# Allegro board Chronos.brd (continued)
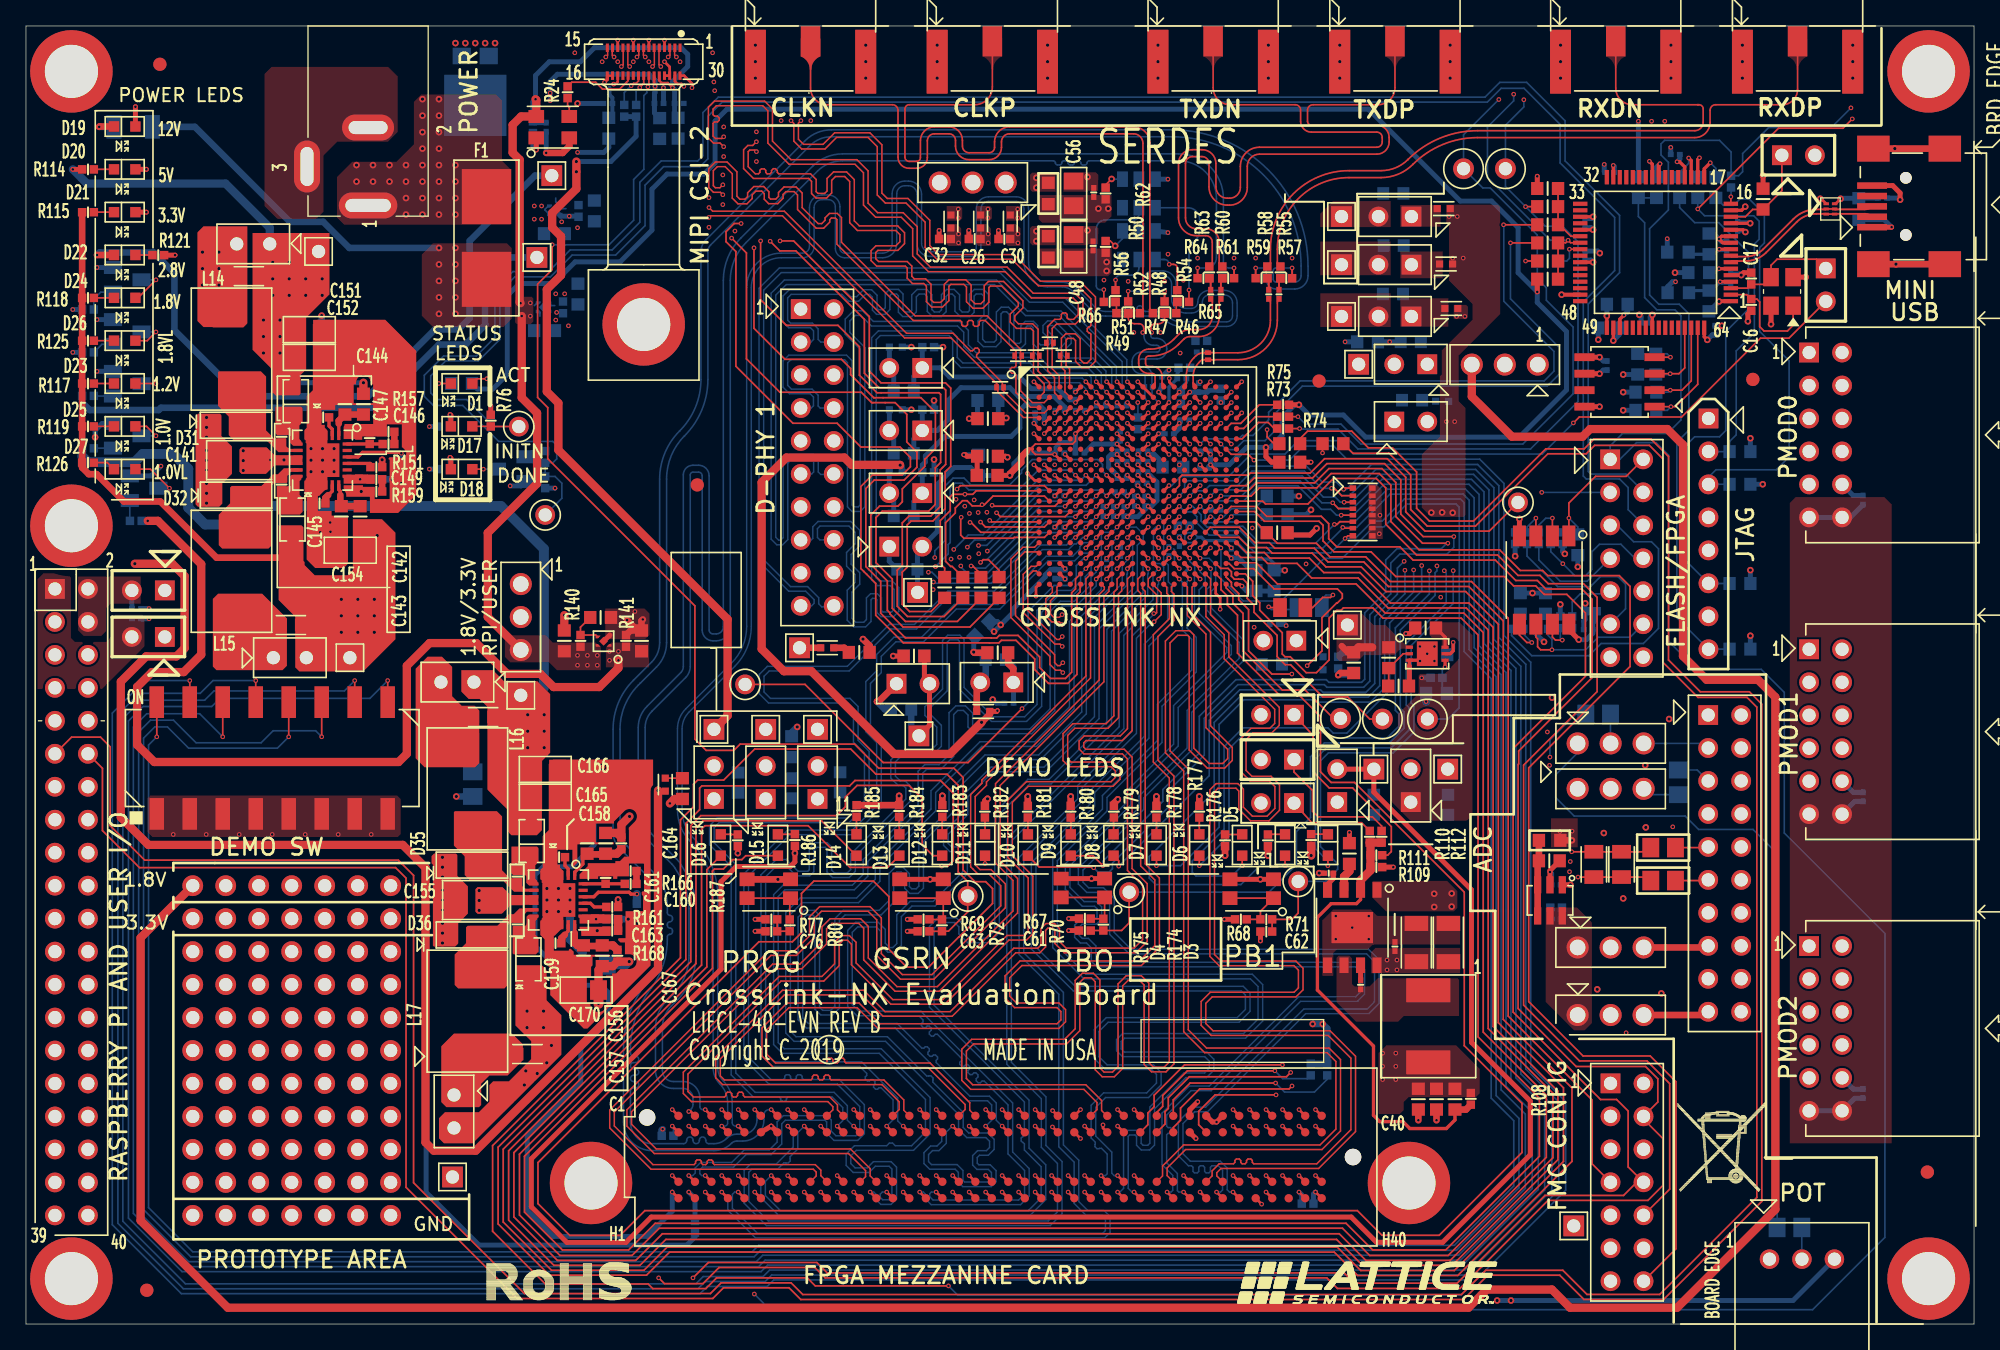
[diagram p0: board, top side]
## Routing (per net, layer and track width the routed paths; a pad name or vN(x,y) marks a point on that pad's centre or on a via; arc(x,y) is an arc through that point) (continued)
PUSHBUTTON1: length 66.9
  TOP w0.127: C62.1 R71.1 97.48,31.18 97.96,31.66 TP8.1
  TOP w0.203: U3.G15 v1(89.61,66.99)
  L04_SIG w0.127: v1(109.9,58.04) 109.9,58.68 107.18,61.4 107.18,63.26 104.86,65.58 98.52,65.58 98.02,66.09 96.62,66.09 96.05,66.66 95.12,66.66 94.69,67.08 93.68,67.08 93.07,66.47 91.97,66.47 91.62,66.83 91.62,67.14 91.37,67.39 91.34,67.39 91.33,67.4 90.02,67.4 v1(89.61,66.99)
  BOTTOM w0.127: v1(109.9,58.04) 109.9,55.51 106.66,52.27 106.66,47.84 106.87,47.64 106.87,45.6 105.28,44.01 100.29,44.01 99.67,43.39 99.67,36.77 101,35.45 101,35.04 100.06,34.1 TP8.1
R_EXT: length 0.6
  TOP w0.203: U3.C14 v1(88.81,70.99)
RASP_5V: length 1.4
  BOTTOM w0.381: C37.1 8.16,56.51 JP4.2
RASP_ID_SC: length 123.2
  TOP w0.127: v1(73.5,58.68) 73.71,58.88 74.11,58.88 74.93,58.06 R39.1
  TOP w0.203: U3.M4 v1(80.01,62.99)
  L04_SIG w0.127: v1(73.5,58.68) 73.5,57.5 70.17,54.17 66.71,54.17 64.54,56.34 59.05,56.34 57.49,54.78 50.25,54.78 45.37,59.66 35.84,59.66 31.72,55.55 31.72,51.95 30.13,50.36 30.13,47.57 25.47,42.9 14.36,42.9 9.61,38.14 9.61,37.06 8.71,36.17 8.71,20.12 8.11,19.52 6.73,19.52 5.93,20.33 5.93,21.82 5.41,22.34 4.27,22.34 3.82,21.89 3.4,21.89 3.09,22.2 3.09,22.87 3.48,23.26 4.42,23.26 JP5.28
  BOTTOM w0.127: v1(80.01,62.99) 78.1,62.99 73.99,58.88 73.71,58.88 v1(73.5,58.68)
RASP_ID_SD: length 122.1
  TOP w0.127: v1(72.77,58.4) 72.9,58.4 73.53,57.77 R40.1
  TOP w0.203: U3.M7 v1(82.41,62.99)
  L04_SIG w0.127: JP5.27 2.23,24.13 3,24.9 5.81,24.9 6.4,24.31 6.4,22.2 7.19,21.41 7.92,21.41 8.3,21.78 8.3,36.33 9.22,37.25 9.22,38.3 14.2,43.28 25.08,43.28 29.75,47.95 29.75,50.52 31.24,52 31.24,55.61 35.68,60.05 45.72,60.05 50.58,55.19 57.27,55.19 58.8,56.72 64.83,56.72 66.96,54.59 70.02,54.59 72.57,57.14 72.57,58.27 72.7,58.4 v1(72.77,58.4)
  BOTTOM w0.127: v1(82.41,62.99) 82.02,62.6 78.25,62.6 73.88,58.23 73.06,58.23 72.9,58.4 v1(72.77,58.4)
RASP_IO02: length 121.3
  TOP w0.203: U3.L6 v1(81.61,63.79)
  L04_SIG w0.127: JP5.3 2.23,54.69 3.27,55.74 3.27,56.65 4.28,57.65 5.61,57.65 7.44,59.49 7.44,68.85 8.19,69.6 11.05,69.6 12.83,67.81 15.44,67.81 17.22,69.6 18.55,69.6 20.26,71.31 20.26,75.14 20.94,75.82 33.77,75.82 34.35,75.24 34.35,72.18 34.94,71.58 35.66,71.58 36.29,72.21 39.06,72.21 41.3,74.45 41.3,77.19 42.97,78.86 42.97,79.78 45.61,82.42 59.33,82.42 62.02,79.72 64.6,79.72 70.92,73.41 70.92,69.1 72.51,67.51 72.51,67.35 72.99,66.88 72.99,65.91 74,64.9 74,64.77 75.06,63.7 78.55,63.7 79.84,64.99 80.41,64.99 v1(81.61,63.79)
RASP_IO03: length 121.3
  TOP w0.203: U3.L5 v1(80.81,63.79)
  L04_SIG w0.127: v1(80.81,63.79) 80.57,63.79 80.16,64.2 79.77,64.2 79.6,64.03 79.6,63.63 79.29,63.32 74.9,63.32 73.62,64.61 73.62,64.74 72.61,65.75 72.61,65.98 71.8,66.79 71.8,67.69 70.54,68.94 70.54,69.48 67.99,72.03 67.99,74.31 63.02,79.29 61.48,79.29 58.8,81.96 45.8,81.96 43.38,79.53 43.38,78.72 42.57,77.91 42.57,75.14 39.26,71.83 36.55,71.83 35.92,71.2 34.56,71.2 33.88,71.87 33.88,74.91 33.42,75.37 21.58,75.37 20.74,74.53 20.74,71.1 18.59,68.96 17.39,68.96 14.75,66.31 14.75,65.66 14.37,65.28 13.06,65.28 11.81,66.53 11.81,67.18 11.37,67.62 8.19,67.62 7.86,67.28 7.86,57.91 5.36,55.42 4.21,55.42 3.52,54.73 3.52,52.84 JP5.5
RASP_IO04: length 121.2
  TOP w0.127: v1(74.39,63.07) 74.46,63 79.22,63 U3.M3
  L04_SIG w0.127: JP5.7 3.56,50.34 5.12,50.34 6.62,51.85 11.21,51.85 14.47,55.11 18.93,55.11 19.4,55.57 19.4,62.8 18.99,63.21 18.17,63.21 17.68,63.69 17.68,64.6 18.11,65.03 19.03,65.03 19.4,65.4 19.4,69.01 21.22,70.83 21.22,74.27 21.84,74.9 32.84,74.9 33.41,74.32 33.41,71.05 34.17,70.29 36,70.29 36.97,71.26 39.29,71.26 42.95,74.93 42.95,77.75 43.79,78.59 43.79,79.29 46.07,81.58 54.03,81.58 58.47,77.14 64.42,77.14 67.48,74.08 67.48,71.9 70.16,69.22 70.16,68.79 70.46,68.48 71.41,67.53 71.41,66.64 72.23,65.82 72.23,65.59 73.23,64.58 73.23,64.45 74.39,63.29 v1(74.39,63.07)
RASP_IO05: length 120.8
  TOP w0.203: U3.K8 v1(83.21,65.39)
  L04_SIG w0.127: v1(69.98,59.05) 69.82,58.89 66.05,58.89 65.37,59.57 65.37,61.22 62.63,63.95 38.89,63.95 36.95,62.01 34.95,62.01 29.1,56.16 29.1,52.56 27.05,50.51 27.05,50.14 25.15,48.23 23.97,48.23 21.47,45.73 13.94,45.73 7.32,39.11 7.32,38.07 6.31,37.06 6.31,33.87 4.79,32.34 4.46,32.34 3.6,31.48 3.6,31.17 2.28,29.86 1.97,29.86 1.2,29.08 1.2,22.1 JP5.29
  BOTTOM w0.127: v1(83.21,65.39) 82.89,65.71 82.89,66.23 82.53,66.6 77.48,66.6 76.66,65.77 76.66,65.56 75.74,64.64 72.75,64.64 72.23,65.17 71.38,65.17 70.78,64.56 70.78,60.37 69.98,59.57 v1(69.98,59.05)
RASP_IO06: length 120.8
  TOP w0.203: U3.L7 v1(82.41,63.79)
  L04_SIG w0.127: v1(74.03,59.54) 74.03,59.14 74.26,58.91 74.26,57.68 70.31,53.73 66.61,53.73 65.33,55.01 63.61,55.01 62.91,54.31 50.09,54.31 45.11,59.28 36.39,59.28 32.18,55.07 32.18,51.86 30.52,50.2 30.52,47.13 25.9,42.52 14.52,42.52 10.51,38.51 10.51,37.4 9.11,36 9.11,19.26 8.74,18.88 6.19,18.88 5.48,19.6 3.3,19.6 JP5.31
  BOTTOM w0.127: v1(82.41,63.79) 82.01,63.39 77.94,63.39 74.09,59.54 v1(74.03,59.54)
RASP_IO07: length 120.8
  TOP w0.203: U3.N5 v1(80.81,62.19)
  L04_SIG w0.127: JP5.26 5.64,26.15 6.85,24.94 6.85,22.91 7.11,22.66 7.65,22.66 7.89,22.9 7.89,36.47 8.84,37.42 8.84,38.48 14.03,43.66 24.7,43.66 29.37,48.34 29.37,50.68 30.78,52.08 30.78,55.69 35.52,60.43 46,60.43 50.84,55.59 56.96,55.59 57.89,56.52 57.89,57.46 57.43,57.92 56.32,57.92 56.02,58.22 56.02,58.71 56.32,59.01 63.08,59.01 67.12,54.97 69.76,54.97 71.81,57.03 71.81,58.27 71.94,58.4 v1(71.98,58.4)
  BOTTOM w0.127: v1(80.81,62.19) 78.38,62.19 74.03,57.84 72.47,57.84 71.98,58.33 v1(71.98,58.4)
RASP_IO08: length 120.8
  TOP w0.203: U3.P6 v1(81.61,61.39)
  L04_SIG w0.127: v1(69.87,57.16) 69.83,57.16 69.51,57.49 65.5,57.49 63.59,59.39 52.58,59.39 52.22,59.03 52.22,57.9 52.59,57.53 56.79,57.53 57.2,57.12 57.2,56.54 56.76,56.1 51.01,56.1 46.29,60.82 35.37,60.82 30.35,55.79 30.35,52.19 28.99,50.83 28.99,48.74 24.3,44.04 13.87,44.04 8.46,38.64 8.46,37.58 7.5,36.62 7.5,26.42 7.16,26.08 6.55,26.08 5.94,26.69 5.94,28.36 5.61,28.69 JP5.24
  BOTTOM w0.127: v1(69.87,57.16) 69.97,57.07 74.33,57.07 78.23,60.97 81.19,60.97 v1(81.61,61.39)
RASP_IO09: length 120.8
  TOP w0.203: U3.K6 v1(81.61,65.39)
  L04_SIG w0.127: JP5.21 3.35,32.35 3.35,33.97 4.41,35.03 5.41,35.03 5.89,35.51 5.89,37.18 6.94,38.23 6.94,39.27 13.79,46.12 21.31,46.12 23.8,48.61 24.98,48.61 26.67,50.31 26.67,50.67 28.69,52.69 28.69,56.94 31.84,60.08 31.84,63.29 32.28,63.74 36.13,63.74 36.51,64.11 37.6,64.11 38.74,65.25 41.1,65.25 42,64.35 54.08,64.35 54.42,64.69 54.42,65.17 54.14,65.46 48.43,65.46 48.14,65.75 48.14,66.24 48.49,66.6 54.69,66.6 56.94,64.35 62.85,64.35 63.17,64.04 63.19,64.04 66.29,60.93 69.59,60.93 70.8,59.72 71.39,59.72 v1(71.44,59.67)
  BOTTOM w0.127: v1(81.61,65.39) 81.22,65 77.89,65 73.68,60.79 72.56,60.79 v1(71.44,59.67)
RASP_IO10: length 121.3
  TOP w0.127: v1(74.73,62.49) 75.02,62.2 80.02,62.2 U3.N4
  L04_SIG w0.127: v1(74.73,62.49) 74.67,62.43 74.67,61.4 73.81,60.54 71.3,60.54 70.88,60.97 70.86,60.97 70,61.83 66.63,61.83 64.83,63.63 64.83,65.79 63.64,66.98 55.81,66.98 55.06,67.73 55.06,71.97 54.88,72.16 54.49,72.16 54.31,71.98 54.31,68.77 53.03,67.48 41.66,67.48 40.25,66.08 37.19,66.08 36.04,64.93 31.21,64.93 29.82,66.32 28.93,66.32 28.23,67.01 28.23,68.02 27.86,68.39 26.52,68.39 26.11,67.98 26.11,66.19 26.77,65.54 26.77,62.17 23.77,59.18 23.77,49.71 20.94,46.88 13.48,46.88 5.92,39.32 5.92,38.42 5.19,37.69 4.15,37.69 3.43,36.96 3.43,34.97 JP5.19
RASP_IO11: length 120.8
  TOP w0.203: U3.N7 v1(82.41,62.19)
  L04_SIG w0.127: v1(69.49,57.92) 65.77,57.92 64.29,59.4 64.29,61.11 63.86,61.54 58.66,61.54 58.32,61.2 58.32,60.39 57.77,59.84 48.06,59.84 47.53,60.37 47.53,61.03 48.03,61.53 52.8,61.53 53.04,61.77 53.04,62.15 52.83,62.37 43.87,62.37 42.72,61.22 35.23,61.22 29.96,55.94 29.96,52.34 28.61,50.99 28.61,48.89 24.14,44.42 13.71,44.42 8.08,38.79 8.08,37.74 7.1,36.76 7.1,30.52 6.29,29.71 3.25,29.71 JP5.23
  BOTTOM w0.127: v1(69.49,57.92) 69.76,57.92 70.23,57.45 74.17,57.45 78.53,61.8 82.02,61.8 v1(82.41,62.19)
RASP_IO12: length 120.8
  TOP w0.203: U3.L8 v1(83.21,63.79)
  L04_SIG w0.127: JP5.32 4.82,18.48 9.02,18.48 9.52,18.98 9.52,35.85 10.89,37.23 10.89,38.35 14.68,42.14 26.11,42.14 30.9,46.92 30.9,50.04 32.66,51.81 32.66,55.01 36.56,58.9 44.7,58.9 49.68,53.93 65.78,53.93 66.43,53.28 70.41,53.28 74.64,57.52 74.64,59.53 74.19,59.98 v1(73.35,59.98)
  BOTTOM w0.127: v1(83.21,63.79) 82.77,64.24 78.23,64.24 73.98,59.99 73.35,59.99 v1(73.35,59.98)
RASP_IO13: length 121.3
  TOP w0.203: U3.M5 v1(80.81,62.99)
  L04_SIG w0.127: JP5.33 3.3,14.92 6.44,14.92 9.91,18.38 9.91,35.69 11.76,37.55 11.76,38.68 14.83,41.75 26.33,41.75 33.04,48.46 33.04,54.8 36.77,58.52 44.33,58.52 49.3,53.55 65.62,53.55 66.3,52.87 70.57,52.87 75.06,57.36 75.06,61.18 76.79,62.91 79.35,62.91 79.51,63.07 79.51,63.07 79.83,63.39 80.41,63.39 v1(80.81,62.99)
RASP_IO14: length 130
  TOP w0.127: R35.2 71.32,58.36 71.2,58.36 70.81,58.75 70.81,61.73 71.56,62.48 71.56,62.87 72.12,63.43 72.46,63.43 72.86,63.03 73.53,63.03 v1(73.62,63.12) 73.8,63.12 74.47,63.78 78.42,63.78 U3.M2
  L04_SIG w0.127: v1(73.62,63.12) 73.62,63.52 72.85,64.28 72.85,64.42 71.84,65.43 71.84,65.67 71.03,66.48 71.03,67.37 70.57,67.83 68.6,67.83 67.97,68.46 67.97,69.34 66.87,70.44 66.87,71.37 65.35,72.89 65.35,75.65 64.24,76.76 63.99,76.76 63.86,76.63 63.86,74.99 63.73,74.86 63.48,74.86 63.35,74.99 63.35,76.63 63.23,76.76 58.28,76.76 54.86,80.17 53.3,80.17 51.56,78.44 51.56,71.57 50.72,70.73 37.03,70.73 36.2,69.9 33.58,69.9 32.93,70.55 32.93,74.01 32.48,74.46 22.2,74.46 21.69,73.95 21.69,70.57 20.38,69.26 20.38,66.17 19.94,65.74 19.94,55.4 17.93,53.39 14.21,53.39 12.18,51.36 7.12,51.36 JP5.8
RASP_IO15: length 129.1
  TOP w0.127: U3.L1 73.17,64.19 72.9,63.92 v1(72.3,63.92) 71.36,63.92 71.17,63.73 71.17,62.66 70.4,61.89 70.4,58.57 70.74,58.23 R36.2
  L04_SIG w0.127: JP5.10 5.57,46.47 6.4,47.31 6.4,49.87 7.31,50.78 13.77,50.78 14.06,51.08 14.06,52.64 14.3,52.88 14.92,52.88 15.13,52.67 15.13,51.38 15.47,51.04 16.41,51.04 16.77,51.41 16.77,52.26 17.16,52.64 19.1,52.64 20.41,53.96 20.41,65.58 20.84,66 20.84,68.14 21.21,68.51 22.61,68.51 22.97,68.86 22.97,69.95 22.13,70.79 22.13,73.6 22.53,74 32.02,74 32.49,73.53 32.49,71.74 32.12,71.38 32.12,69.94 33.4,68.66 35.57,68.66 37.23,70.31 38.45,70.31 38.71,70.05 50.93,70.05 51.95,71.08 51.95,76.25 52.58,76.88 57.22,76.88 58.47,75.64 58.47,75.03 58.9,74.6 62.95,74.6 66.49,71.06 66.49,70.28 67.35,69.42 67.59,69.18 67.59,68.3 67.95,67.94 68.44,67.45 70.42,67.45 70.65,67.21 70.65,66.32 71.46,65.51 71.46,65.28 72.46,64.28 72.46,64.08 v1(72.3,63.92)
RASP_IO16: length 121.3
  TOP w0.203: U3.N6 v1(81.61,62.19)
  L04_SIG w0.127: JP5.36 9.57,13.45 10.71,14.59 10.71,35.42 12.53,37.23 12.53,38.37 15.14,40.98 28.09,40.98 35.66,48.56 35.66,54.04 37.21,55.59 41.1,55.59 44.41,52.27 44.41,50.89 44.7,50.6 46.79,50.6 47.5,51.31 58.04,51.31 58.74,50.6 61.6,50.6 62.63,51.63 66.19,51.63 66.6,52.04 70.93,52.04 75.82,56.94 75.82,59.89 78.12,62.19 80.26,62.19 80.65,61.8 80.97,61.8 81.37,62.19 v1(81.61,62.19)
RASP_IO17: length 387.3
  TOP w0.127: v1(71.69,64.32) 71.69,64.33 71.94,64.58 78.42,64.58 U3.L2 ; R38.2 102.17,67.08 104.95,67.08 106.62,65.41 106.62,62.75 107.9,61.47 111.61,61.47 117.18,67.04 120.14,67.04 120.79,67.69 125,67.69 126.04,66.65 126.04,50.98 128.75,48.28 132.52,48.28 133.28,47.52 133.28,9.76 125.8,2.28 120.2,2.28 118.34,4.14 112.4,4.14 110.53,2.27 59.81,2.27 58.91,3.17 53.53,3.17 52.7,2.35 38.38,2.35 29.85,10.88 29.85,34.56 28.67,35.74 9.14,35.74 6.48,38.39 6.48,44.47 5.74,45.21 3.51,45.21 JP5.11
  L04_SIG w0.127: JP5.11 3.43,45.13 5.08,45.13 10.21,50.27 16.17,50.27 16.4,50.5 17.67,50.5 17.89,50.27 19.44,50.27 20.1,50.93 20.1,52.49 20.93,53.32 20.93,65.38 21.24,65.69 21.24,67.7 21.55,68 23.4,68 23.69,68.29 23.69,69.99 22.57,71.1 22.57,72.92 23.17,73.52 30.84,73.52 31.3,73.06 31.3,70.2 33.37,68.13 38.57,68.13 39.01,68.58 39.01,69.37 39.27,69.63 51.29,69.63 52.35,70.68 52.35,76 52.85,76.5 57.02,76.5 57.91,75.61 57.91,74.59 58.38,74.12 62.84,74.12 65.29,71.66 65.29,68.57 66.61,67.25 68.05,67.25 68.47,66.84 68.98,66.84 69.71,66.1 70.08,66.1 71.31,64.88 71.32,64.88 71.66,64.55 71.66,64.49 71.69,64.45 v1(71.69,64.32)
RASP_IO18: length 388.9
  TOP w0.127: R37.2 98.11,68.21 98.68,68.78 102.08,68.78 103.37,67.5 105.22,67.5 107.08,65.64 107.08,62.84 108.06,61.86 111.46,61.86 117.03,67.42 119.98,67.42 120.75,68.19 125.12,68.19 126.47,66.83 126.47,51.16 128.93,48.71 132.7,48.71 133.66,47.75 133.66,9.45 126.1,1.89 119.97,1.89 118.1,3.76 112.56,3.76 110.69,1.89 59.66,1.89 58.75,2.79 53.71,2.79 52.88,1.97 37.83,1.97 29.26,10.53 29.26,34.35 28.46,35.16 8.74,35.16 5.89,38.01 5.89,42.81 JP5.12 ; v1(72.01,62.15) 71.97,62.11 71.97,60.78 72.22,60.54 76.03,60.54 76.1,60.6 78.42,60.6 U3.R2
  L04_SIG w0.127: v1(72.01,62.15) 70.16,64 70.16,64.37 67.75,66.78 66.47,66.78 64.85,68.39 64.85,71.38 64.15,72.09 57.3,72.09 56.92,72.47 56.92,75.26 56.08,76.09 53.27,76.09 52.74,75.55 52.74,70.44 51.5,69.2 40.55,69.2 38.96,67.6 33.25,67.6 30.42,70.43 30.42,72.8 30.15,73.07 24.97,73.07 24.67,72.77 24.44,72.77 24.16,73.05 23.63,73.05 23.11,72.52 23.11,71.35 24.3,70.16 24.3,65.57 23.83,65.1 21.94,65.1 21.39,64.55 21.39,53.16 20.56,52.33 20.56,50.2 19.5,49.14 9.98,49.14 JP5.12
RASP_IO19: length 121.3
  TOP w0.203: U3.M6 v1(81.61,62.99)
  L04_SIG w0.127: v1(81.61,62.99) 81.37,62.99 80.97,62.6 80.51,62.6 80.43,62.52 77.84,62.52 75.44,60.12 75.44,57.16 70.74,52.45 65.97,52.45 65.74,52.23 62.75,52.23 61.81,53.17 45.4,53.17 40.44,58.13 37.66,58.13 33.42,53.9 33.42,48.29 26.5,41.37 14.99,41.37 12.15,38.53 12.15,37.39 10.31,35.55 10.31,18.12 6.66,14.47 3.25,14.47 JP5.35
RASP_IO20: length 121.3
  TOP w0.203: U3.R3 v1(79.21,60.59)
  L04_SIG w0.127: JP5.38 11.81,3.87 33.04,3.87 38.27,9.1 38.27,12.5 42.24,16.47 42.24,27.7 44.92,30.39 44.92,31.18 46.16,32.41 61.63,32.41 67.98,38.77 74.02,38.77 75.2,39.95 75.2,45.4 75.45,45.64 75.45,47.98 74.58,48.85 74.58,51.16 78.26,54.84 78.26,60.23 78.62,60.59 v1(79.21,60.59)
RASP_IO21: length 121.3
  TOP w0.203: U3.R4 v1(80.01,60.59)
  L04_SIG w0.127: v1(80.01,60.59) 78.64,59.22 78.64,54.69 75,51.05 75,48.97 75.92,48.05 75.92,45.4 75.6,45.08 75.6,39.37 74.41,38.17 68.05,38.17 61.71,31.83 46.21,31.83 45.45,31.07 45.45,30.22 42.96,27.72 42.96,16.42 38.82,12.29 38.82,9.11 32.98,3.27 9.87,3.27 JP5.40
RASP_IO22: length 121.3
  TOP w0.127: U3.P2 78.42,61.4 73.88,61.4 v1(73.5,61.78)
  L04_SIG w0.127: JP5.15 3.52,40.14 5.64,40.14 13.25,47.75 20.61,47.75 22.98,50.13 22.98,59.74 25.24,62 25.24,71.09 25.75,71.6 28.61,71.6 29.2,71 29.2,68.58 30.28,67.5 31.13,67.5 32.4,66.23 32.92,66.23 33.26,66.57 36.59,66.57 36.86,66.84 39.65,66.84 41.15,68.35 52.2,68.35 53.53,69.68 53.53,74.68 53.9,75.05 55.57,75.05 55.98,74.64 55.98,70.11 56.6,69.49 63.12,69.49 63.79,68.82 63.79,68.26 67.54,64.52 67.54,63.45 68.38,62.6 70.34,62.6 71.61,61.33 73.28,61.33 73.5,61.55 v1(73.5,61.78)
RASP_IO23: length 121.3
  TOP w0.127: v1(74.2,61.91) 74.25,61.91 74.37,61.79 U3.P1
  L04_SIG w0.127: v1(74.2,61.91) 74.14,61.85 74.14,61.55 73.53,60.94 71.44,60.94 70.17,62.22 66.81,62.22 65.44,63.59 65.44,66 63.34,68.1 63.34,68.5 62.73,69.11 58.85,69.11 58.42,68.69 58.42,67.83 58.08,67.49 56.14,67.49 55.55,68.08 55.55,74.08 55.22,74.4 54.28,74.4 53.92,74.05 53.92,69.18 52.68,67.93 41.47,67.93 39.99,66.46 37.03,66.46 35.9,65.33 32.66,65.33 30.96,67.03 29.85,67.03 28.65,68.24 28.65,70.56 28.25,70.95 26.08,70.95 25.72,70.59 25.72,65.97 26.3,65.39 26.3,62.4 23.36,59.46 23.36,49.9 20.81,47.35 13.41,47.35 4.91,38.85 JP5.16
RASP_IO24: length 120.8
  TOP w0.203: U3.K7 v1(82.41,65.39)
  L04_SIG w0.127: JP5.18 4.77,36.65 6.34,38.22 6.34,39.21 13.63,46.5 21.12,46.5 24.74,50.12 25.68,50.12 26.06,50.5 26.06,50.62 27.59,52.14 27.59,63.03 28.11,63.55 28.93,63.55 29.45,63.03 29.45,60.39 30,59.85 30.87,59.85 31.43,60.41 31.43,63.46 32.18,64.21 36.03,64.21 37.52,65.69 41.39,65.69 42.31,64.77 46.52,64.77 46.88,65.13 46.88,65.58 46.49,65.98 42.84,65.98 42.45,66.36 42.45,66.83 42.71,67.08 55.11,67.08 55.67,66.52 62.73,66.52 63.23,66.02 63.23,64.66 66.45,61.44 69.72,61.44 71.01,60.15 72.19,60.15 v1(72.49,59.85)
  BOTTOM w0.127: v1(72.49,59.85) 73.04,60.4 73.84,60.4 78.06,64.62 81.64,64.62 v1(82.41,65.39)
RASP_IO25: length 120.8
  TOP w0.203: U3.K5 v1(80.81,65.39)
  L04_SIG w0.127: JP5.22 6.27,31.23 6.69,31.65 6.69,36.91 7.7,37.92 7.7,38.95 13.55,44.8 23.56,44.8 27.43,48.67 27.43,50.35 29.52,52.44 29.52,56.05 35.08,61.61 37.29,61.61 39.06,63.37 41.53,63.37 42.15,62.75 53.56,62.75 53.97,62.34 53.97,61.74 53.37,61.15 48.19,61.15 47.91,60.87 47.91,60.53 48.22,60.22 57.53,60.22 57.94,60.64 57.94,61.36 58.5,61.92 64.02,61.92 64.67,61.26 64.67,59.56 65.88,58.35 v1(70.03,58.35)
  BOTTOM w0.127: v1(80.81,65.39) 80.42,65.79 77.95,65.79 76.42,64.26 72.6,64.26 72.08,64.78 71.54,64.78 71.17,64.4 71.17,60.2 71.01,60.05 71.01,59.33 v1(70.03,58.35)
RASP_IO26: length 121.2
  TOP w0.203: U3.P5 v1(80.81,61.39)
  L04_SIG w0.127: v1(80.81,61.39) 80.58,61.39 80.13,61.85 79.4,61.85 79.4,61.85 78.37,61.85 76.2,59.68 76.2,56.75 70.65,51.2 68.54,51.2 67.68,50.34 66.4,50.34 66.02,49.97 66.02,48.92 66.22,48.72 66.22,47.78 65.84,47.4 63.2,47.4 62.79,47.8 41.73,47.8 39.08,50.45 37.15,50.45 36.04,49.34 36.04,48.08 28.56,40.6 15.3,40.6 12.91,38.21 12.91,37.07 11.1,35.27 11.1,12.62 10.64,12.16 8.8,12.16 8.39,11.75 7.13,11.75 6.73,12.16 3.48,12.16 JP5.37
RASP_IO27: length 121.2
  TOP w0.127: v1(72.69,61.75) 72.77,61.75 73.53,60.99 U3.R1
  L04_SIG w0.127: v1(72.69,61.75) 72.62,61.75 72.58,61.72 71.79,61.72 70.51,62.99 68.58,62.99 67.94,63.63 67.94,64.74 64.35,68.34 64.35,70.03 62.72,71.65 57.16,71.65 56.49,72.33 56.49,75.03 55.84,75.68 53.48,75.68 53.14,75.34 53.14,69.97 51.95,68.77 40.91,68.77 39.35,67.22 33.02,67.22 31.98,68.26 30.3,68.26 29.73,68.83 29.73,71.56 29.28,72.01 25.29,72.01 24.77,71.5 24.77,62.65 24.34,62.21 22.22,62.21 21.84,61.83 21.84,53.08 22.6,52.33 22.6,50.65 20.47,48.52 12.34,48.52 9.58,45.76 9.27,45.76 8.66,45.14 8.66,44.46 6.82,42.63 3.47,42.63 JP5.13
REF_RETURN_PLL: length 1.8
  TOP w0.203: U3.B14 v1(88.81,71.79)
  BOTTOM w0.254: C44.1 89.35,72.53 88.93,72.11 R45.2
REFCLKN: length 11.6
  TOP w0.122: R52.1 84.87,77.56 arc(85.01,77.21) 85.36,77.06 85.7,77.06 arc(85.96,76.96) 86.07,76.7 86.07,76.57 arc(86.05,76.47) v1(85.99,76.39)
  TOP w0.203: U3.C11 v1(86.41,70.99)
  BOTTOM w0.122: v1(86.41,70.99) 86.35,71.05 arc(86.21,71.27) 86.16,71.52 R43.1 86.17,72.19 86.17,73.06 arc(86.12,73.16) 86.02,73.2 85.88,73.2 arc(85.38,73.41) 85.17,73.91 85.17,74.14 arc(85.39,74.67) 85.91,74.88 87.09,74.88 arc(87.24,74.94) 87.3,75.09 87.3,75.17 arc(87.24,75.33) 87.07,75.4 86.81,75.4 arc(86.3,75.61) 86.09,76.12 86.09,76.16 arc(86.06,76.28) v1(85.99,76.39)
REFCLKN_FMC: length 150.2
  TOP w0.152: R52.2 v1(84.87,79.56)
  TOP w0.203: U9.D5 v1(54.84,15.25)
  BOTTOM w0.112: v1(84.87,79.56) 85.83,79.56 arc(85.99,79.63) 86.06,79.79 86.06,80.41 arc(86.27,80.92) 86.78,81.13 87.54,81.13 arc(88.27,80.83) 88.57,80.11 88.57,79 arc(88.79,78.46) 89.32,78.24 89.74,78.24 arc(90.09,78.39) 90.23,78.73 arc(90.49,79.37) 91.13,79.63 92.29,79.63 arc(92.98,79.35) 93.26,78.66 93.26,77.66 arc(93.02,77.09) 92.44,76.85 88.99,76.85 arc(88.27,76.99) 87.65,77.41 arc(87.38,77.59) 87.06,77.65 83.13,77.65 arc(82.55,77.77) 82.06,78.09 80.58,79.57 arc(80.22,79.81) 79.8,79.9 78.66,79.9 arc(78.04,80.02) 77.51,80.37 77.38,80.51 arc(76.98,81.1) 76.84,81.79 76.84,85.89 arc(76.67,86.31) 76.25,86.49 74.11,86.49 arc(73.7,86.31) 73.53,85.9 73.53,82.87 arc(73.35,82.43) 72.91,82.25 69.61,82.25 arc(68.9,82.54) 68.6,83.26 68.6,87.04 arc(68.41,87.5) 67.95,87.69 67.67,87.69 arc(67.23,87.51) 67.05,87.07 67.05,83.23 arc(66.73,82.46) 65.96,82.14 63.04,82.14 arc(62.53,82.35) 62.32,82.86 62.32,86.07 arc(62.16,86.46) 61.77,86.62 61.29,86.62 arc(60.86,86.44) 60.68,86.01 60.68,83.03 arc(60.42,82.4) 59.8,82.14 58.16,82.14 arc(56.53,81.47) 55.85,79.84 55.85,53.75 arc(55.52,52.08) 54.57,50.66 51.06,47.15 arc(50.66,46.55) 50.52,45.85 50.52,39.58 arc(50.75,38.42) 51.41,37.44 arc(52.78,35.38) 53.26,32.95 53.26,19.76 arc(53.38,19.2) 53.7,18.72 arc(54.2,17.96) 54.38,17.06 54.38,15.51 arc(54.46,15.32) 54.64,15.25 v1(54.84,15.25)
REFCLKN_SMA: length 52.6
  TOP w0.122: J14.1 60.41,95.22 arc(60.79,94.31) 61.7,93.93 66.72,93.93 arc(67.02,93.81) 67.15,93.51 67.15,89.9 arc(67.4,89.29) 68.01,89.03 68.59,89.03 arc(69.17,89.27) 69.41,89.85 69.41,91.15 arc(69.56,91.53) 69.95,91.69 71.07,91.69 arc(71.43,91.55) 71.57,91.19 71.57,90.75 arc(71.88,90.01) 72.62,89.7 74.16,89.7 arc(74.84,89.98) 75.11,90.65 75.11,91.07 arc(75.3,91.51) 75.74,91.69 85.27,91.69 arc(85.79,91.48) 86.01,90.96 86.01,78.16 arc(86,78.12) 85.97,78.08 R51.2
REFCLKP: length 11.6
  TOP w0.122: R48.1 87.67,77.5 arc(87.55,77.19) 87.24,77.06 86.97,77.06 arc(86.71,76.96) 86.6,76.7 86.6,76.57 arc(86.62,76.47) v1(86.68,76.39)
  TOP w0.203: U3.C12 v1(87.21,70.99)
  BOTTOM w0.122: v1(87.21,70.99) 86.87,71.34 arc(86.75,71.51) 86.71,71.72 R43.2 86.7,72.19 86.7,73.06 arc(86.5,73.54) 86.02,73.74 85.88,73.74 arc(85.76,73.79) 85.71,73.91 85.71,74.14 arc(85.77,74.29) 85.91,74.35 87.09,74.35 arc(87.62,74.57) 87.84,75.09 87.84,75.17 arc(87.61,75.71) 87.07,75.93 86.81,75.93 arc(86.68,75.99) 86.62,76.12 86.62,76.25 arc(86.63,76.32) v1(86.68,76.39)
REFCLKP_FMC: length 150.2
  TOP w0.152: R48.2 v1(87.67,79.56)
  TOP w0.203: U9.D4 v1(53.57,15.25)
  BOTTOM w0.112: v1(87.67,79.56) 86.6,79.56 arc(86.47,79.62) 86.41,79.75 86.41,80.41 arc(86.52,80.67) 86.78,80.77 87.54,80.77 arc(88.02,80.58) 88.21,80.11 88.21,79 arc(88.54,78.21) 89.32,77.88 89.74,77.88 arc(90.34,78.13) 90.59,78.73 arc(90.74,79.12) 91.13,79.27 92.29,79.27 arc(92.72,79.1) 92.9,78.66 92.9,77.66 arc(92.77,77.34) 92.44,77.21 88.99,77.21 arc(88.4,77.32) 87.9,77.66 arc(87.52,77.92) 87.06,78.01 86.21,78.01 arc(86.05,78.07) 85.98,78.23 arc(85.92,78.39) 85.76,78.45 85.76,78.45 arc(85.6,78.39) 85.54,78.23 arc(85.47,78.07) 85.32,78.01 85.31,78.01 arc(85.16,78.07) 85.09,78.23 arc(85.03,78.39) 84.87,78.45 84.87,78.45 arc(84.71,78.39) 84.64,78.23 arc(84.58,78.07) 84.42,78.01 83.13,78.01 arc(82.69,78.09) 82.32,78.34 80.83,79.83 arc(80.36,80.14) 79.8,80.25 78.66,80.25 arc(78.17,80.35) 77.76,80.62 77.63,80.76 arc(77.31,81.23) 77.2,81.79 77.2,85.89 arc(76.92,86.56) 76.25,86.84 74.11,86.84 arc(73.45,86.57) 73.17,85.9 73.17,82.87 arc(73.09,82.68) 72.91,82.6 69.61,82.6 arc(69.15,82.79) 68.96,83.26 68.96,87.04 arc(68.66,87.75) 67.95,88.05 67.67,88.05 arc(66.98,87.76) 66.69,87.07 66.69,83.23 arc(66.48,82.71) 65.96,82.5 63.04,82.5 arc(62.78,82.61) 62.68,82.86 62.68,86.07 arc(62.41,86.71) 61.77,86.98 61.29,86.98 arc(60.61,86.7) 60.33,86.01 60.33,83.03 arc(60.17,82.65) 59.8,82.5 58.16,82.5 arc(56.27,81.72) 55.49,79.84 55.49,53.75 arc(55.19,52.21) 54.32,50.91 50.81,47.4 arc(50.33,46.69) 50.16,45.85 50.16,39.58 arc(50.42,38.28) 51.16,37.19 arc(52.45,35.24) 52.91,32.95 52.91,19.76 arc(53.05,19.06) 53.44,18.47 arc(53.87,17.82) 54.03,17.06 54.03,15.47 arc(53.96,15.31) 53.8,15.25 v1(53.57,15.25)
REFCLKP_SMA: length 52.6
  TOP w0.122: J10.1 74.41,95.3 arc(74.01,94.33) 73.05,93.93 68.01,93.93 arc(67.78,93.84) 67.68,93.6 67.68,89.9 arc(67.77,89.66) 68.01,89.57 68.59,89.57 arc(68.79,89.65) 68.87,89.85 68.87,91.15 arc(69.19,91.91) 69.95,92.23 71.07,92.23 arc(71.8,91.92) 72.11,91.19 72.11,90.75 arc(72.26,90.38) 72.62,90.23 74.16,90.23 arc(74.46,90.36) 74.58,90.65 74.58,91.07 arc(74.92,91.89) 75.74,92.23 85.27,92.23 arc(86.17,91.86) 86.54,90.96 86.54,78.24 arc(86.56,78.12) 86.63,78.02 R47.2
RXD_UART: length 43.7
  TOP w0.127: R17.2 v1(114.31,83.29)
  TOP w0.203: U3.F18 v1(92.01,67.79)
  BOTTOM w0.127: v1(92.01,67.79) 92.45,67.36 93.07,67.36 93.77,68.05 95.41,68.05 96.06,68.71 96.06,70.03 98.28,72.25 117.13,72.25 118.06,73.18 118.06,75.23 114.31,78.98 v1(114.31,83.29)
RXDN: length 0.9
  TOP w0.152: C53.1 95.69,80.31 arc(95.67,80.45) R58.1
RXDN_FMC: length 150.2
  TOP w0.152: R59.2 v1(94.69,81.36)
  TOP w0.203: U9.C7 v1(57.38,16.52)
  BOTTOM w0.122: v1(94.69,81.36) 95.35,81.36 arc(95.46,81.31) 95.5,81.2 95.5,80.49 arc(95.73,79.96) 96.26,79.74 97.7,79.74 arc(98.42,80.03) 98.72,80.75 98.72,81.5 arc(95.64,88.92) 88.22,92 62.01,92 arc(60.92,91.78) 60,91.16 52.35,83.51 arc(52.07,83.1) 51.97,82.62 51.97,72.77 arc(51.55,70.62) 50.33,68.8 arc(49.19,67.1) 48.79,65.09 48.79,52.49 arc(48.63,51.68) 48.17,50.99 46.77,49.59 arc(45.61,47.86) 45.21,45.82 45.21,37.89 arc(45.35,37.2) 45.73,36.62 47.95,34.4 arc(48.62,33.4) 48.85,32.23 48.85,29.65 arc(48.56,27.84) 47.73,26.21 47.6,26.03 arc(46.42,23.74) 46.01,21.19 46.01,15.56 arc(46.66,14.01) 48.22,13.36 52.97,13.36 arc(53.7,13.51) 54.33,13.92 arc(54.52,14.05) 54.75,14.1 55.2,14.1 arc(56.35,14.57) 56.82,15.72 56.82,16.1 arc(56.94,16.4) 57.23,16.52 v1(57.38,16.52)
RXDN_SMA: length 51.7
  TOP w0.122: J15.1 122.41,95.22 arc(122.79,94.31) 123.7,93.93 128.74,93.93 ; 128.74,93.93 128.82,93.93 arc(129.05,93.84) 129.15,93.61 129.15,92.58 arc(128.96,92.12) 128.5,91.93 111.78,91.93 arc(108.87,91.36) 106.41,89.71 arc(105.46,89.08) 104.35,88.85 101.88,88.85 arc(97.6,87.08) 95.82,82.8 95.82,81.76 arc(95.81,81.71) 95.79,81.67 R58.2 ; 128.74,93.93 128.74,93.93 ; 128.74,93.93 arc(128.74,93.93) 128.74,93.93
RXDNF: length 11.6
  TOP w0.122: U3.A15 arc(89.31,72.34) 89.34,72.51 89.34,73.01 arc(89.5,73.79) 89.94,74.44 90.05,74.56 arc(90.35,74.75) 90.7,74.82 arc(90.86,74.83) R41.1 91.53,74.83 91.53,74.82 93.31,74.82 arc(95.09,75.56) 95.82,77.33 95.82,78.66 arc(95.79,78.83) C53.2